# Allegro board visualscope011.brd (continued)
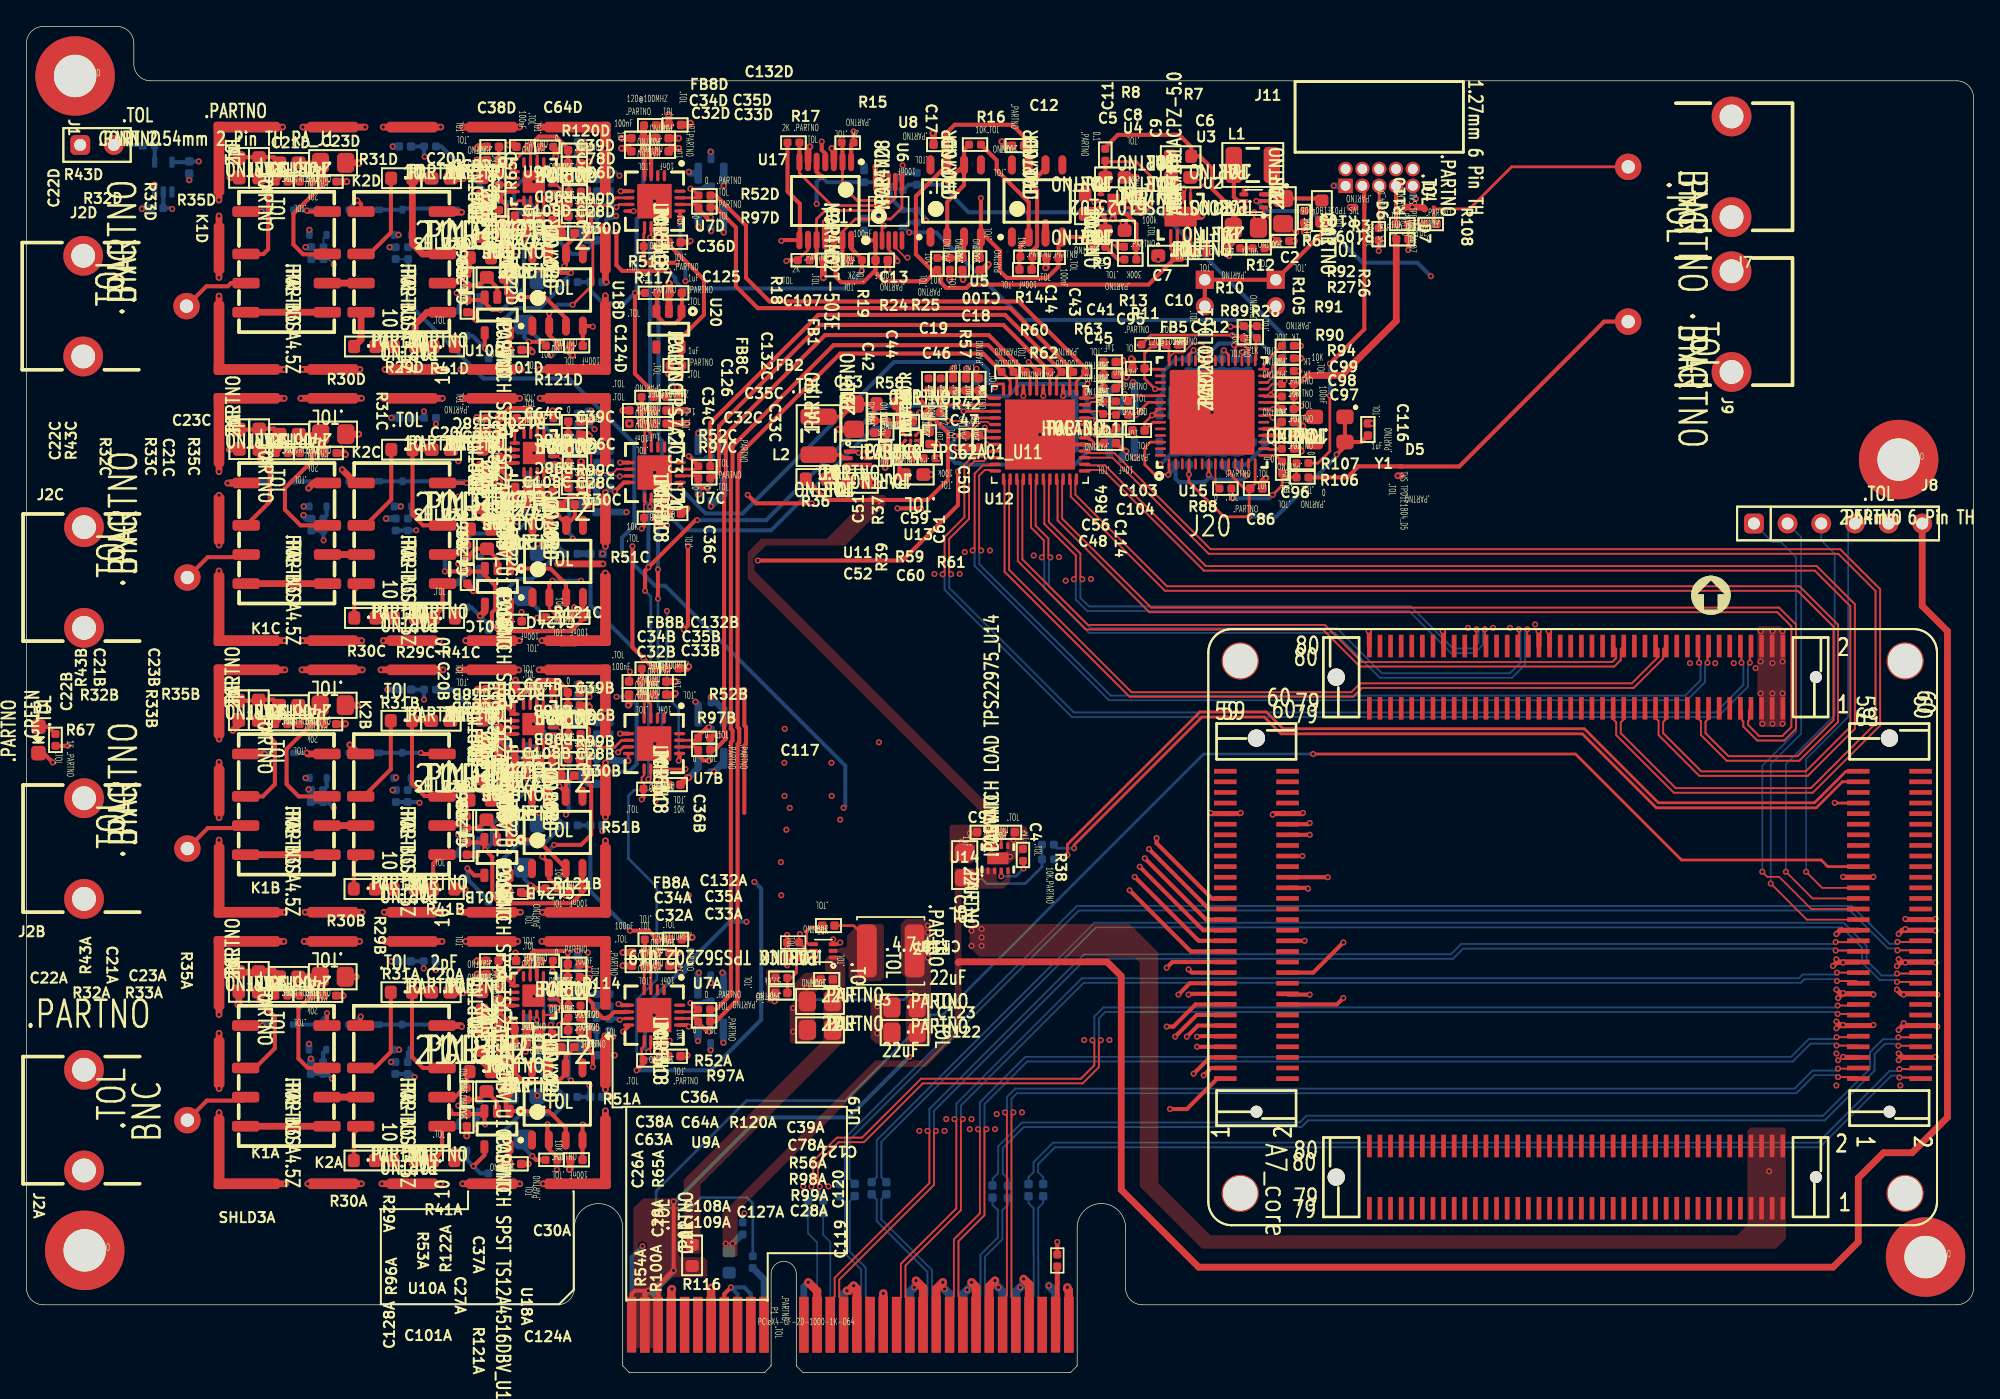
[diagram p0: board, top side]
## Routing (per net, layer and track width the routed paths; a pad name or vN(x,y) marks a point on that pad's centre or on a via; arc(x,y) is an arc through that point) (continued)
N00069_FRONT END_CH3: length 4.3
  TOP w0.508: v1(21.28,66.75) 21.68,67.15 K1C.8
  BOTTOM w0.127: 21.8,67.27 21.99,67.27 Q3C.1
  BOTTOM w0.305: D2C.2 21.81,67.27 ; 21.81,67.27 v1(21.28,66.75) ; 21.81,67.27 Q3C.1
N00069_FRONT END_CH4: length 3.4
  TOP w0.305: K1D.8 21.23,87.63 v1(21.16,87.71)
  BOTTOM w0.305: D2D.2 21.09,87.77 v1(21.16,87.71) 21.22,87.77 Q3D.1
N00077_FRONT END_CH1: length 0.9
  TOP w0.305: R32A.2 R33A.1
N00077_FRONT END_CH2: length 0.9
  TOP w0.305: R32B.2 R33B.1
N00077_FRONT END_CH3: length 0.9
  TOP w0.305: R32C.2 R33C.1
N00077_FRONT END_CH4: length 0.9
  TOP w0.305: R33D.1 R32D.2
N00085_FRONT END_CH1: length 2.5
  TOP w0.508: K2A.3 K1A.6
N00085_FRONT END_CH2: length 2.5
  TOP w0.508: K2B.3 K1B.6
N00085_FRONT END_CH3: length 2.5
  TOP w0.508: K2C.3 K1C.6
N00085_FRONT END_CH4: length 2.5
  TOP w0.508: K1D.6 K2D.3
N00105_FRONT END_CH1: length 1
  BOTTOM w0.305: Q4A.2 28.78,24.15 R48A.1
N00105_FRONT END_CH2: length 1
  BOTTOM w0.305: Q4B.2 29.01,44.19 R48B.1
N00105_FRONT END_CH3: length 1
  BOTTOM w0.305: R48C.1 29.03,64.7 Q4C.2
N00105_FRONT END_CH4: length 1
  BOTTOM w0.305: R48D.1 29.02,85.16 Q4D.2
N00107_FRONT END_CH1: length 7.8
  TOP w0.508: v1(32.84,26.11) 32.76,26.19 K2A.8
  BOTTOM w0.305: v1(32.84,26.11) 32.69,26.26 Q4A.1 D3A.2
N00107_FRONT END_CH2: length 4.8
  TOP w0.305: K2B.8 29.84,46.69 v1(29.76,46.77)
  BOTTOM w0.305: D3B.2 Q4B.1 v1(29.76,46.77)
N00107_FRONT END_CH3: length 8.5
  TOP w0.305: K2C.8 v1(33.21,67.15)
  BOTTOM w0.305: D3C.2 Q4C.1 33.08,67.27 v1(33.21,67.15)
N00107_FRONT END_CH4: length 7.9
  TOP w0.508: v1(32.84,87.58) 32.46,87.58 32.41,87.63 K2D.8
  BOTTOM w0.305: v1(32.84,87.58) 32.56,87.86 28.46,87.86 Q4D.1 D3D.2
N00129_FRONT END_CH1: length 2.8
  TOP w0.305: K2A.4 24.7,18.06 R30A.1
N00129_FRONT END_CH2: length 2.8
  TOP w0.305: R30B.1 24.7,38.56 K2B.4
N00129_FRONT END_CH3: length 2.8
  TOP w0.305: K2C.4 24.74,59.02 R30C.1
N00129_FRONT END_CH4: length 2.8
  TOP w0.508: R30D.1 25.25,77.97 K2D.4
N00131_FRONT END_CH1: length 1.4
  TOP w0.305: R30A.2 R29A.1
N00131_FRONT END_CH2: length 1.4
  TOP w0.305: R29B.1 R30B.2
N00131_FRONT END_CH3: length 1.4
  TOP w0.305: R30C.2 R29C.1
N00131_FRONT END_CH4: length 1.4
  TOP w0.508: R30D.2 R29D.1
N00133_FRONT END_CH1: length 7.3
  TOP w0.305: R31A.1 27.5,24.19 26.29,22.99 K2A.2
N00133_FRONT END_CH2: length 6.8
  TOP w0.305: R31B.1 27.5,45.53 25.45,43.49 K2B.2
N00133_FRONT END_CH3: length 6.8
  TOP w0.305: K2C.2 25.59,63.95 27.53,65.89 R31C.1
N00133_FRONT END_CH4: length 7
  TOP w0.305: R31D.1 27.51,90.13 27.51,86.05 25.88,84.43 K2D.2
N00135_FRONT END_CH1: length 6.1
  TOP w0.508: K1A.5 K1A.4
N00135_FRONT END_CH2: length 6.1
  TOP w0.508: K1B.4 K1B.5
N00135_FRONT END_CH3: length 6.1
  TOP w0.508: K1C.4 K1C.5
N00135_FRONT END_CH4: length 6.1
  TOP w0.508: K1D.4 K1D.5
N00137_FRONT END_CH1: length 8.9
  TOP w0.305: K2A.7 29.92,22.99 29.1,23.81 R31A.2 C20A.1
N00137_FRONT END_CH2: length 8.9
  TOP w0.305: C20B.1 R31B.2 29.1,44.46 30.05,43.51 31.34,43.51 K2B.7
N00137_FRONT END_CH3: length 9
  TOP w0.305: K2C.7 29.93,63.95 29.13,64.74 R31C.2 C20C.1
N00137_FRONT END_CH4: length 9
  TOP w0.508: K2D.7 29.89,84.43 29.12,85.2 R31D.2 C20D.1
N00143_FRONT END_CH1: length 4.3
  TOP w0.305: R29A.2 R41A.2 30.72,16 31.37,16.65 K2A.5
N00143_FRONT END_CH2: length 4.3
  TOP w0.305: K2B.5 30.7,38.42 R41B.2 R29B.2
N00143_FRONT END_CH3: length 4.3
  TOP w0.305: K2C.5 31.4,57.69 30.73,57.02 R41C.2 R29C.2
N00143_FRONT END_CH4: length 5.5
  TOP w0.508: K2D.5 30.25,80.03 29.32,79.11 R29D.2 R41D.2
N00149_FRONT END_CH1: length 11.9
  TOP w0.305: K1A.7 21.23,22.99 20.52,23.7 20.52,27.46 21.51,28.44 R33A.2
  TOP w0.508: R35A.2 R33A.2 21.51,29.21 C23A.2 C21A.1
N00149_FRONT END_CH2: length 13.1
  TOP w0.305: R33B.2 R35B.2 22.16,49.24 C23B.2 ; R33B.2 21.51,48.94 19.63,47.07 19.63,44.4 20.55,43.49 K1B.7 ; R33B.2 21.51,48.95 20.93,49.52 20.93,49.52 20.51,49.94 C21B.1
N00149_FRONT END_CH3: length 13
  TOP w0.305: K1C.7 20.69,63.95 19.51,65.13 19.51,66.75 21.54,68.79 R33C.2 R35C.2 22.2,69.7 C23C.2 C21C.1
N00149_FRONT END_CH4: length 12.8
  TOP w0.305: K1D.7 22.68,84.4 20.88,84.4 20.14,85.14 20.14,87.45 22.49,89.8 R35D.2 ; R35D.2 R33D.2 ; R35D.2 22.19,90.19 C23D.2 C21D.1
N00151_FRONT END_CH1: length 5.1
  TOP w0.305: J2A.1 13.62,20.52 16.27,20.52 K1A.3
N00151_FRONT END_CH2: length 5.1
  TOP w0.305: J2B.1 13.69,41.1 16.35,41.1 K1B.3
N00151_FRONT END_CH3: length 5.2
  TOP w0.305: K1C.3 16.38,61.54 13.68,61.54 J2C.1
N00151_FRONT END_CH4: length 5.2
  TOP w0.305: K1D.3 15.43,82.23 15.19,81.99 13.58,81.99 J2D.1
N00153_FRONT END_CH1: length 2.8
  TOP w0.305: v1(40.21,26.24) 40.75,26.78 R99A.1 40.88,25.84 C28A.1
  BOTTOM w0.305: v1(40.21,26.24) 40.76,26.79 FB4A.1
N00153_FRONT END_CH2: length 2.1
  TOP w0.305: v1(40.33,47.28) R99B.1 40.88,46.34 C28B.1
  BOTTOM w0.305: v1(40.33,47.28) 40.45,47.28 40.47,47.3 FB4B.1
N00153_FRONT END_CH3: length 2.1
  TOP w0.305: C28C.1 40.91,66.8 R99C.1 40.69,67.74 v1(40.46,67.51)
  BOTTOM w0.305: v1(40.46,67.51) 40.71,67.51 FB4C.1
N00153_FRONT END_CH4: length 4
  TOP w0.305: C28D.1 40.9,87.28 R99D.1 40.22,88.23 40.21,88.21 39.95,88.21 v1(39.57,87.83)
  BOTTOM w0.305: v1(39.57,87.83) 39.7,87.83 40.16,88.3 FB4D.1
N00155_FRONT END_CH1: length 9.2
  TOP w0.305: C30A.1 40.69,23.91 U18A.6 40.69,22.53 40.08,21.92 37.54,21.92 36.91,22.55 36.91,23.7 36.23,24.38 R100A.2
N00155_FRONT END_CH2: length 7.8
  TOP w0.152: 40.69,43.79 40.69,44.4 40.72,44.43
  TOP w0.305: v1(40.21,44.27) 40.69,43.79 ; C30B.1 40.72,44.43 40.72,43.51 U18B.6 ; R100B.2 36.4,44.77 36.91,44.27 v1(37.16,44.27)
  PWR4 w0.305: v1(37.16,44.27) v1(40.21,44.27)
N00155_FRONT END_CH3: length 7.8
  TOP w0.305: R100C.2 35.92,65 v1(35.83,64.91) ; C30C.1 41.39,64.61 U18C.6 40.73,64.07 v1(40.08,64.72)
  PWR4 w0.305: v1(35.83,64.91) 37.22,64.91 37.41,64.72 v1(40.08,64.72)
N00155_FRONT END_CH4: length 8.9
  TOP w0.305: v1(35.76,85.55) 35.9,85.69 R100D.2 ; v1(40.59,83.51) 40.72,83.64 U18D.6 40.72,85.04 41.37,85.7 C30D.1
  PWR4 w0.305: v1(35.76,85.55) 36.52,84.78 39.32,84.78 v1(40.59,83.51)
N00161_FRONT END_CH1: length 14.5
  TOP w0.305: v1(39.32,18.74) 39.32,17.98 39.42,17.88 U18A.2 39.42,16.86 40.07,16.21 R121A.2 ; v1(42.75,23.06) 42.75,24.08 C30A.2 42.27,24.59 42.49,24.82 42.49,26.11 41.82,26.78 R99A.2 41.81,26.82 R98A.1
  PWR3 w0.305: v1(42.75,23.06) 41.73,22.05 41.73,20.4 40.08,18.74 v1(39.32,18.74)
N00161_FRONT END_CH2: length 15.5
  TOP w0.305: R121B.2 40.07,36.66 39.42,37.31 U18B.2 39.42,38.45 v1(38.94,38.94) ; R98B.1 41.81,47.32 R99B.2 41.9,47.28 42.49,46.68 42.49,45.29 C30B.2 42.27,44.62 42.62,44.27 42.62,40.59 41.86,39.83 v1(39.83,39.83)
  BOTTOM w0.305: v1(39.83,39.83) v1(38.94,38.94)
N00161_FRONT END_CH3: length 18.4
  TOP w0.203: U18C.2 39.46,57.66 R121C.2 ; C30C.2 42.31,65.83 42.37,65.89 42.37,66.37 42.49,66.5 42.49,67.13 41.88,67.74 R99C.2
  TOP w0.305: U18C.2 39.46,59.53 v1(39.7,59.77) ; R99C.2 41.81,68.62 R98C.1
  PWR3 w0.305: v1(41.86,59.77) 41.86,65.25 41.25,65.86 41.25,66.65 41.86,67.26 v1(41.86,68.78)
  BOTTOM w0.305: v1(39.7,59.77) v1(41.86,59.77)
N00161_FRONT END_CH4: length 14.6
  TOP w0.203: v1(41.22,80.59) 42.75,82.12 42.75,85.29 42.29,85.75 C30D.2
  TOP w0.305: v1(39.45,79.96) U18D.2 39.45,78.31 40.1,77.65 R121D.2 ; C30D.2 42.29,86.18 42.62,86.51 42.62,87.43 41.82,88.23 R99D.2 41.84,88.26 R98D.1
  BOTTOM w0.305: v1(39.45,79.96) 40.09,80.59 v1(41.22,80.59)
N00175_FRONT END_CH1: length 1.5
  TOP w0.305: C26A.2 R54A.2
N00175_FRONT END_CH2: length 1.5
  TOP w0.305: C26B.2 R54B.2
N00175_FRONT END_CH3: length 1.5
  TOP w0.305: R54C.2 C26C.2
N00175_FRONT END_CH4: length 1.5
  TOP w0.305: R54D.2 C26D.2
N00191_FRONT END_CH1: length 3.8
  TOP w0.305: R100A.1 36.22,25.75 36.22,26.64 35.64,27.22 C29A.2 36.1,27.7 U9A.4
N00191_FRONT END_CH2: length 3.9
  TOP w0.305: U9B.4 36.1,48.2 C29B.2 35.64,47.72 36.22,47.14 36.22,46.13 R100B.1
N00191_FRONT END_CH3: length 3.7
  TOP w0.305: R100C.1 35.92,66.52 36.27,66.88 36.27,67.64 35.73,68.18 C29C.2 36.14,68.66 U9C.4
N00191_FRONT END_CH4: length 3.7
  TOP w0.305: R100D.1 35.9,87.05 36.25,87.4 36.25,88.08 35.99,88.34 35.97,88.34 C29D.2 36.13,89.14 U9D.4
N00197_ADC_PLL: length 1.4
  TOP w0.305: U15.18 C98.1
N00197_FRONT END_CH1: length 3.7
  TOP w0.305: v1(38.18,16.33) 38.46,16.05 R121A.1
  BOTTOM w0.305: R123A.2 38.46,16.05 v1(38.18,16.33) 37.55,16.95 R124A.2
N00197_FRONT END_CH2: length 4
  TOP w0.305: v1(38.05,36.78) 38.18,36.78 38.4,36.55 R121B.1
  BOTTOM w0.305: R124B.2 37.58,37.25 v1(38.05,36.78) 38.18,36.78 38.4,36.55 R121B.1
N00197_FRONT END_CH3: length 3.6
  TOP w0.305: R121C.1 38.6,57.01 v1(38.56,56.97)
  BOTTOM w0.305: v1(38.56,56.97) 38.63,57.05 R123C.2 37.62,58.6 R124C.2
N00197_FRONT END_CH4: length 5.1
  TOP w0.305: v1(37.92,77.8) 38.94,77.8 39.2,77.54 R121D.1
  BOTTOM w0.305: v1(37.92,77.8) 37.58,78.14 R124D.2 39.12,77.56 R123D.2
N00207_ADC_PLL: length 1.8
  TOP w0.203: U15.29 92.79,76.43 92.79,78.01 R28.1
N00209_FRONT END_CH1: length 1.2
  TOP w0.305: R65A.1 35.66,28.2 U9A.3
N00209_FRONT END_CH2: length 1.2
  TOP w0.305: R65B.1 35.66,48.7 U9B.3
N00209_FRONT END_CH3: length 1.2
  TOP w0.305: R65C.1 36.84,69.15 U9C.3
N00209_FRONT END_CH4: length 1.2
  TOP w0.203: R65D.1 35.68,89.64 U9D.3
N00211_FRONT END_CH1: length 2.7
  TOP w0.203: R65A.2 36.04,28.7 U9A.2
  TOP w0.305: C26A.1 34.69,29.09 R65A.2
N00211_FRONT END_CH2: length 2.7
  TOP w0.305: U9B.2 36.04,49.2 R65B.2 35.34,49.28 C26B.1
N00211_FRONT END_CH3: length 2.7
  TOP w0.305: C26C.1 35.38,69.74 R65C.2 36.08,69.66 U9C.2
N00211_FRONT END_CH4: length 2.7
  TOP w0.203: R65D.2 36.06,90.14 U9D.2
  TOP w0.305: C26D.1 34.71,90.53 R65D.2
N00215_FRONT END_CH1: length 1.3
  TOP w0.305: R120A.2 38.51,30.76 U9A.14
N00215_FRONT END_CH2: length 1.3
  TOP w0.203: R120B.2 38.51,51.26 U9B.14
N00215_FRONT END_CH3: length 1.3
  TOP w0.203: U9C.14 38.55,71.72 R120C.2
N00215_FRONT END_CH4: length 1.3
  TOP w0.203: R120D.2 38.54,92.2 U9D.14
N00293_FRONT END_CH1: length 3.6
  TOP w0.305: U10A.2 35.51,20.43 C27A.1 34.09,20.59 R96A.1
N00293_FRONT END_CH2: length 3.6
  TOP w0.305: R96B.1 34.09,41.09 C27B.1 35.51,40.93 U10B.2
N00293_FRONT END_CH3: length 3.6
  TOP w0.305: U10C.2 35.55,61.39 C27C.1 33.9,62.18 33.85,62.13 33.85,62.12 33.28,61.55 R96C.1
N00293_FRONT END_CH4: length 3.6
  TOP w0.305: U10D.2 35.53,81.88 C27D.1 34.12,82.04 R96D.1
N00295_FRONT END_CH1: length 8.6
  TOP w0.305: R122A.2 36.17,22.4 C27A.2 36.17,20.02 U10A.1 39.43,19.73 40.69,18.46 U18A.3
N00295_FRONT END_CH2: length 8
  TOP w0.305: U18B.3 40.69,38.07 38.54,40.22 U10B.1 36.46,41.43 C27B.2 36.23,41.78 R122B.2
N00295_FRONT END_CH3: length 8.6
  TOP w0.305: U18C.3 40.72,58.52 40.72,59.51 39.54,60.68 U10C.1 36.5,61.89 C27C.2 36.27,62.24 R122C.2
N00295_FRONT END_CH4: length 8.4
  TOP w0.305: U18D.3 40.72,79.58 39.12,81.17 U10D.1 36.2,81.46 C27D.2 36.26,82.73 R122D.2
N00307_FRONT END_CH1: length 1.3
  BOTTOM w0.305: R126A.1 32.61,19.03 Q5A.2
N00307_FRONT END_CH2: length 1.3
  BOTTOM w0.305: R126B.1 32.62,39.51 Q5B.2
N00307_FRONT END_CH3: length 1.3
  BOTTOM w0.305: Q5C.2 33.27,60.3 R126C.1
N00307_FRONT END_CH4: length 1.3
  BOTTOM w0.305: Q5D.2 32.64,80.54 R126D.1
N00325_FRONT END_CH1: length 1.8
  TOP w0.305: R54A.1 34.38,23.37 R53A.2
N00325_FRONT END_CH2: length 1.8
  TOP w0.305: R54B.1 34.38,43.87 R53B.2
N00325_FRONT END_CH3: length 1.8
  TOP w0.305: R53C.2 34.42,64.33 R54C.1
N00325_FRONT END_CH4: length 1.8
  TOP w0.305: R54D.1 35.06,85.05 R53D.2
N00331_FRONT END_CH1: length 2.4
  BOTTOM w0.305: FB6A.2 41.61,28.57 R118A.2 R119A.1
N00331_FRONT END_CH2: length 2.4
  BOTTOM w0.305: FB6B.2 43.05,49.08 R118B.2 R119B.1
N00331_FRONT END_CH3: length 2.4
  BOTTOM w0.305: R119C.1 R118C.2 41.64,69.58 FB6C.2
N00331_FRONT END_CH4: length 2.4
  BOTTOM w0.305: R119D.1 R118D.2 43.05,90.08 FB6D.2
N00337_FRONT END_CH1: length 4.5
  TOP w0.127: v1(44.78,26.62) 44.87,26.71 45.43,26.71 U7A.7
  BOTTOM w0.127: C31A.1 44.01,26.99 44.14,27.13 44.14,27.51 44.01,27.65 R119A.2
  BOTTOM w0.305: v1(44.78,26.62) 44.65,26.62 44.56,26.71 C31A.1 43.96,26.75 FB7A.2 R118A.1
N00337_FRONT END_CH2: length 4.7
  TOP w0.203: U7B.7 45.06,47.22 v1(44.65,46.81)
  BOTTOM w0.127: v1(44.65,46.81) 44.4,46.81 C31B.1 44.02,47.5 44.11,47.6 44.11,47.94 44.02,48.04 R119B.2 43.88,48.18 43.87,48.19 43.52,48.19 43.51,48.18 R118B.1
  BOTTOM w0.305: FB7B.2 R118B.1
N00337_FRONT END_CH3: length 4.6
  TOP w0.127: U7C.7 45.44,67.64 v1(44.78,67.64)
  BOTTOM w0.127: R119C.2 43.96,68.68 43.86,68.77 43.52,68.77 43.42,68.68 R118C.1 43.08,67.73 FB7C.2 44.03,67.68 C31C.1 44.73,67.69 v1(44.78,67.64)
N00337_FRONT END_CH4: length 4.5
  TOP w0.203: U7D.7 44.73,88.17 v1(44.53,87.96)
  BOTTOM w0.127: v1(44.53,87.96) 44.27,88.22 C31D.1 ; R119D.2 C31D.1 ; C31D.1 43.99,88.26 FB7D.2 R118D.1
N00431_FRONT END_CH1: length 2.3
  TOP w0.203: R56A.1 40.22,28.77 40.15,28.7 U9A.11
  TOP w0.305: R56A.1 R98A.2
N00431_FRONT END_CH2: length 2.3
  TOP w0.203: R56B.1 40.85,49.2 U9B.11
  TOP w0.305: R56B.1 R98B.2
N00431_FRONT END_CH3: length 2.3
  TOP w0.152: U9C.11 40.88,69.66 R56C.1
  TOP w0.305: R56C.1 R98C.2
N00431_FRONT END_CH4: length 2.3
  TOP w0.203: U9D.11 40.87,90.14 R56D.1 R98D.2
N00575_FRONT END_CH1: length 7.5
  TOP w0.305: K1A.2 17.26,22.99 18.74,24.48 18.74,26.87 17.53,28.09 R43A.2
N00575_FRONT END_CH2: length 7.9
  TOP w0.305: R43B.2 17.53,48.79 18.74,47.57 18.74,44.4 17.83,43.49 K1B.2
N00575_FRONT END_CH3: length 6.8
  TOP w0.305: R43C.2 17.56,68.95 18.36,68.15 18.36,65.73 K1C.2
N00575_FRONT END_CH4: length 7.5
  TOP w0.305: R43D.2 17.55,89.79 18.24,89.1 18.24,84.78 17.87,84.42 16.57,84.42 K1D.2
N00579_FRONT END_CH1: length 4.8
  TOP w0.508: C22A.2 17.45,30.21 R43A.1 18.64,30.29 C21A.2 18.78,29.59 R32A.1
N00579_FRONT END_CH2: length 4.8
  TOP w0.305: R32B.1 19.06,49.23 C21B.2 18.64,50.79 R43B.1 17.45,50.71 C22B.2
N00579_FRONT END_CH3: length 4.8
  TOP w0.305: C22C.2 17.49,71.17 R43C.1 18.68,71.25 C21C.2 19.1,69.69 R32C.1
N00579_FRONT END_CH4: length 4.8
  TOP w0.305: C22D.2 16.13,91.73 R43D.1 18.67,91.73 C21D.2 19.09,90.17 R32D.1
N012996_FRONT END_CH1: length 1.2
  TOP w0.127: U9A.7 v1(38.51,26.62)
  BOTTOM w0.305: R55A.1 38.37,26.76 v1(38.51,26.62)
N012996_FRONT END_CH2: length 1.2
  TOP w0.127: U9B.7 v1(38.51,47.11)
  BOTTOM w0.305: v1(38.51,47.11) 38.35,47.27 R55B.1
N012996_FRONT END_CH3: length 1.4
  TOP w0.127: U9C.7 v1(38.55,67.52)
  BOTTOM w0.305: v1(38.55,67.52) 38,67.52 R55C.1
N012996_FRONT END_CH4: length 1.5
  TOP w0.203: U9D.7 38.54,87.94 v1(38.43,87.83)
  BOTTOM w0.305: v1(38.43,87.83) 37.99,88.27 R55D.1
OUT_R_N_FRONT END_CH1: length 3.9
  TOP w0.203: U7A.14 50.47,26.72 R97A.1
  TOP w0.305: v1(51.51,25.73) 51.38,25.73 50.69,26.42 R97A.1
  BOTTOM w0.305: J3A.1 51.64,25.86 v1(51.51,25.73)
OUT_R_N_FRONT END_CH2: length 4.1
  TOP w0.203: U7B.14 50.47,47.22 R97B.1
  TOP w0.305: v1(51.51,46.18) 51.49,46.2 51.1,46.2 50.69,46.61 R97B.1
  BOTTOM w0.305: v1(51.51,46.18) 51.66,46.33 J3B.1
OUT_R_N_FRONT END_CH3: length 3.9
  TOP w0.203: R97C.1 50.52,67.68 U7C.14
  TOP w0.305: v1(51.38,66.75) 51,66.75 50.71,67.05 R97C.1
  BOTTOM w0.305: J3C.1 51.66,67.03 v1(51.38,66.75)
OUT_R_N_FRONT END_CH4: length 4
  TOP w0.203: R97D.1 50.5,88.17 U7D.14
  TOP w0.305: R97D.1 50.72,87.81 51.33,87.2 v1(51.64,87.2)
  BOTTOM w0.305: v1(51.64,87.2) 51.66,87.22 J3D.1
OUT_R_P_FRONT END_CH1: length 3.8
  TOP w0.203: U7A.15 50.51,27.22 R52A.1
  TOP w0.305: R52A.1 50.6,27.41 v1(50.11,27.89)
  BOTTOM w0.305: v1(50.11,27.89) 51,27.89 51.16,28.04 J4A.1
OUT_R_P_FRONT END_CH2: length 2.9
  TOP w0.203: R52B.1 50.51,47.72 U7B.15
  TOP w0.305: v1(51.51,48.72) 51.38,48.72 50.69,48.03 R52B.1
  BOTTOM w0.127: J4B.1 51.51,48.71 v1(51.51,48.72)
OUT_R_P_FRONT END_CH3: length 4.4
  TOP w0.203: U7C.15 50.49,68.18 R52C.1
  TOP w0.305: v1(49.99,69.16) 50.71,68.45 R52C.1
  BOTTOM w0.305: J4C.1 51.29,69.07 51.13,68.91 50.37,68.91 50.11,69.16 v1(49.99,69.16)
OUT_R_P_FRONT END_CH4: length 3.9
  TOP w0.203: U7D.15 50.54,88.67 R52D.1 50.21,89.36 v1(50.11,89.36)
  BOTTOM w0.305: v1(50.11,89.36) 51,89.36 51.2,89.55 J4D.1
PER_N0: length 10.5
  BOTTOM w0.142: P1.A17 63.58,3.7 63.58,5.54 63.34,5.77 63.34,7.91 62.12,9.13 62.12,12.92 62.12,12.92 C74.1
PER_N1: length 11.7
  BOTTOM w0.142: P1.A22 68.67,5.4 68.34,5.72 68.34,7.74 64.52,11.56 64.52,13.07 C70.1
PER_N2: length 10.4
  BOTTOM w0.142: C66.1 74.07,12.66 73.66,12.25 73.65,11.65 73.65,10.04 72.34,8.73 72.34,5.66 72.67,5.33 P1.A26
PER_N3: length 10
  BOTTOM w0.142: C62.1 76.73,12.79 76.35,12.41 76.35,8.6 76.37,8.58 76.37,5.7 76.67,5.4 P1.A30
PER_P0: length 10.5
  BOTTOM w0.142: C75.1 61.78,12.92 61.78,8.99 63,7.77 63,5.72 62.81,5.54 62.81,3.75 P1.A16
PER_P1: length 11.7
  BOTTOM w0.142: C71.1 64.17,13.07 64.17,11.42 68,7.59 68,5.77 67.67,5.44 P1.A21
PER_P2: length 10.4
  BOTTOM w0.142: C67.1 72.9,12.67 73.31,12.26 73.31,11.65 73.31,10.19 72,8.88 72,5.7 71.67,5.37 P1.A25
PER_P3: length 10
  BOTTOM w0.142: P1.A29 75.67,5.44 76.02,5.79 76.02,8.97 76.01,8.98 76.01,12.41 75.63,12.79 C15.1
PERST#: length 120.8
  TOP w0.203: J20.J3_41 135.96,38.18 135.46,38.68 124.92,38.68 116.92,46.68 v1(97.1,46.68)
  BOTTOM w0.203: v1(97.1,46.68) 88.85,46.68 69.16,27 68.27,27 61.8,20.52 54.36,20.52 47.52,13.69 47.52,12.83 47.95,12.39 50.11,12.39 50.93,13.21 54.38,13.21 54.81,12.78 R84.1
PET_N0: length 94.3
  TOP w0.142: J20.J3_25 138.19,31.85 v1(136.55,31.85) ; v1(68.64,18.24) 68.49,18.09 68.49,14.16 61.34,7 61.34,5.74 61.67,5.41 P1.B15
  BOTTOM w0.142: v1(68.64,18.24) 68.49,18.38 68.49,19.74 79.98,31.23 107.66,31.23 108.43,32 136.4,32 v1(136.55,31.85)
PET_N1: length 90.3
  TOP w0.142: J20.J3_19 138.09,29.55 v1(136.64,29.55) ; v1(70.67,19.13) 70.53,18.98 70.53,12.25 66.34,8.07 66.34,5.69 66.67,5.37 P1.B20
  BOTTOM w0.142: v1(136.64,29.55) 136.5,29.69 134.2,29.69 133.91,29.41 79.79,29.41 70.53,20.15 70.53,19.27 v1(70.67,19.13)
PET_N2: length 85.7
  TOP w0.142: J20.J3_7 138.16,24.68 v1(136.62,24.68) ; P1.B24 70.67,5.43 70.34,5.76 70.34,9.91 72.3,11.87 72.3,18.22 v1(72.45,18.36)
  BOTTOM w0.142: v1(72.45,18.36) 72.3,18.51 72.3,20.25 75.53,23.48 133.32,23.48 134.66,24.82 136.47,24.82 v1(136.62,24.68)
PET_N3: length 82.1
  TOP w0.142: P1.B28 74.67,5.37 74.34,5.69 74.34,19.49 v1(74.49,19.63) ; v1(136.73,22.3) 138.14,22.3 J20.J3_1
  BOTTOM w0.142: v1(74.49,19.63) 74.34,19.78 74.34,20.66 74.77,21.08 133.59,21.08 134.95,22.45 136.58,22.45 v1(136.73,22.3)
PET_P0: length 94.9
  TOP w0.142: v1(136.55,32.49) 138.16,32.49 J20.J3_27 ; P1.B14 60.67,5.42 61,5.75 61,7.15 68.15,14.3 68.15,18.09 v1(68,18.24)
  BOTTOM w0.142: v1(68,18.24) 68.15,18.38 68.15,19.89 79.83,31.57 107.52,31.57 108.29,32.34 136.4,32.34 v1(136.55,32.49)
PET_P1: length 90.8
  TOP w0.142: v1(70.04,19.13) 70.18,18.98 70.18,12.39 66,8.21 66,5.67 65.67,5.34 P1.B19 ; J20.J3_21 v1(136.64,30.18)
  BOTTOM w0.142: v1(70.04,19.13) 70.18,19.27 70.18,20.29 79.65,29.76 133.77,29.76 134.05,30.04 136.5,30.04 v1(136.64,30.18)
PET_P2: length 86.2
  TOP w0.142: v1(136.62,25.31) 138.18,25.31 J20.J3_9 ; v1(71.81,18.36) 71.96,18.22 71.96,12.01 70,10.05 70,5.73 69.67,5.41 P1.B23
  BOTTOM w0.142: v1(71.81,18.36) 71.96,18.51 71.96,20.4 75.39,23.82 133.17,23.82 134.51,25.17 136.47,25.17 v1(136.62,25.31)
PET_P3: length 82.6
  TOP w0.142: J20.J3_3 138.21,22.94 v1(136.73,22.94) ; P1.B27 73.67,5.47 74,5.8 74,19.49 v1(73.85,19.63)
  BOTTOM w0.142: v1(73.85,19.63) 74,19.78 74,20.8 74.62,21.43 133.44,21.43 134.81,22.79 136.58,22.79 v1(136.73,22.94)
PGA_CSN_1: length 65.4
  TOP w0.203: U7A.9 46.62,24.65 46.43,24.46 46.43,23.95 46.57,23.82 R51A.1
  TOP w0.305: v1(86.69,25.35) 88.33,26.98 J20.J1_13 ; R51A.1 46.57,23.32 v1(46.05,22.81)
  PWR4 w0.203: v1(54.94,37.03) 54.94,36.78 56.84,34.87 75.53,34.87 85.05,25.35 v1(86.69,25.35)
  BOTTOM w0.305: v1(54.94,37.03) 55.45,36.52 55.45,26.62 51.64,22.81 v1(46.05,22.81)
PGA_CSN_2: length 52.4
  TOP w0.152: R51B.1 46.62,44.11 46.62,44.46 46.43,44.65 46.43,44.91 46.62,45.1 U7B.9
  TOP w0.305: R51B.1 46.57,43.39 v1(46.43,43.26) ; v1(87.71,30.43) 87.95,30.18 J20.J1_21
  PWR4 w0.305: v1(46.43,43.26) 49.22,40.46 58.75,40.46 62.31,36.91 78.43,36.91 85.42,29.92 87.2,29.92 v1(87.71,30.43)
PGA_CSN_3: length 27.3
  TOP w0.127: R51C.1 46.6,65.48 46.66,65.54 U7C.9
  TOP w0.305: 54.18,42.24 54.18,47.32 54.3,47.45 54.3,48.72 54.18,48.84 v1(54.18,51.51) ; R51C.1 46.6,63.88 v1(46.43,63.7)
  PWR3 w0.203: v1(46.43,63.7) 46.57,63.7 54.18,56.09 v1(54.18,51.51)
PGA_CSN_4: length 93.6
  TOP w0.203: U7D.9 46.65,86.02 46.59,85.96 R51D.1
  TOP w0.305: v1(49.1,83.77) 46.81,83.77 v1(46.56,84.02) 46.59,84.06 R51D.1 ; J20.J1_28 95.18,32.59 v1(96.47,32.59)
  PWR3 w0.305: v1(49.1,83.77) 58.24,74.62 58.24,42.9 62.2,38.94 69.67,38.94 76.02,32.59 v1(96.47,32.59)
PGOOD: length 68.7
  TOP w0.203: v1(79.07,39.57) 79.07,39.83 88.72,49.48 93.42,49.48 94.69,48.21 117.42,48.21 123.01,42.62 135.08,42.62 137.04,44.58 J20.J3_57
  BOTTOM w0.203: R101.1 77.81,39.57 v1(79.07,39.57)
PROBE_COMP: length 117
  TOP w0.305: J20.J1_31 89.03,34.18 v1(84.4,38.81)
  PWR4 w0.305: v1(84.4,38.81) 78.43,44.78 51.38,44.78 46.05,50.11 46.05,50.88 45.67,51.26 45.03,51.26 30.3,65.99 16.69,65.99 16.23,65.53 12.57,65.53 10.49,67.61 10.49,87.32 v1(11,87.83)
  BOTTOM w0.305: U1.2 10.32,87.9 R2.2 10.93,87.9 v1(11,87.83)
PRSNT1#: length 38.7
  TOP w0.305: R86.1 v1(77.8,9.85)
  PWR3 w0.305: v1(77.8,9.85) 77.15,10.5 47.46,10.5 v1(46.49,9.54)
  BOTTOM w0.305: v1(46.49,9.54) 45.67,8.71 P1.A1
PRSNT2#_4: length 4
  TOP w0.381: P1.B31 77.8,4.24 R86.2
REFINOUT: length 8.1
  TOP w0.127: v1(91.01,65.99) 91.01,66.65 R88.2
  TOP w0.203: v1(94.06,66.24) 94.77,66.95 C96.2 95.07,67.56 R106.2 R107.2
  BOTTOM w0.305: v1(91.01,65.99) 93.8,65.99 v1(94.06,66.24)
REFINOUT1: length 29
  TOP w0.305: J9.1 119.07,79.32 108.14,68.39 D5.1 103.72,68.4 100.53,68.4 99.69,67.56 R106.1
REFINOUT2: length 23.2
  TOP w0.203: R107.1 97.47,68.64 98.37,69.54 v1(98.37,73.74)
  TOP w0.305: J11.3 100.97,89.43 D6.1 100.97,78.75 v1(98.37,76.15)
  BOTTOM w0.305: v1(98.37,73.74) v1(98.37,76.15)
RESIN: length 109.6
  TOP w0.203: J20.J3_53 136.49,42.98 v1(136.47,43)
  PWR4 w0.203: v1(136.47,43) 135.33,41.86 135.33,21.54 130.25,16.46 58.88,16.46 54.43,12.01 v1(54.18,12.01)
  BOTTOM w0.203: R66.1 54.05,11.89 v1(54.18,12.01)
SCL: length 120.4
  TOP w0.127: U15.24 93.62,73.73 93.88,73.99 v1(94.18,73.99)
  TOP w0.203: U15.24 93.44,73.67 R90.1
  TOP w0.305: v1(96.72,36.52) 96.66,36.58 J20.J1_38
  PWR3 w0.305: v1(96.72,36.52) 97.48,37.29 97.48,39.06 95.33,41.22 68.78,41.22 66.5,43.51 66.5,56.72 64.08,59.13 64.08,65.23 66.12,67.26 66.12,83.01 67,83.9 67,85.67 v1(66.62,86.05)
  BOTTOM w0.305: v1(94.18,73.99) 94.18,76.68 91.41,79.45 75.26,79.45 68.66,86.05 v1(66.62,86.05) 66.23,86.45 ; Q2.3 66.23,86.45 ; 66.23,86.45 66.25,86.45 66.62,86.81 R21.1
SCL_5V: length 14.8
  TOP w0.203: U6.2 64.57,86.42 v1(64.72,86.56)
  TOP w0.305: v1(60.02,92.91) 60.02,92.28 60.29,92.01 U17.4
  PWR3 w0.305: v1(60.02,92.91) 63.32,92.91 64.72,91.52 v1(64.72,86.56)
  BOTTOM w0.305: R23.1 64.22,87.1 Q2.1 64.23,87.06 v1(64.72,86.56)
SDA: length 80.9
  TOP w0.127: R91.1 94.75,74.68 v1(94.94,74.88)
  TOP w0.152: U15.25 93.64,74.23 94.02,74.61 R91.1
  TOP w0.305: J20.J1_40 v1(98.22,37.38)
  PWR3 w0.305: v1(94.94,74.88) 95.58,74.24 95.58,49.61 98.22,46.97 v1(98.22,37.38)
  BOTTOM w0.305: v1(94.94,74.88) 94.94,78.24 85.6,87.58 71.11,87.58 69.04,89.66 R20.1 66.58,89.66 Q1.3
SDA_5V: length 17.6
  TOP w0.203: v1(65.73,83.9) 65.73,84.1 65.07,84.76 U6.3
  TOP w0.305: v1(60.02,90.25) 59.64,90.63 U17.5
  PWR3 w0.305: v1(65.73,83.9) 63.96,83.9 v1(59.64,88.21)
  BOTTOM w0.305: v1(59.64,88.21) 59.64,89.86 v1(60.02,90.25) 60.42,89.85 R22.1 64.22,89.85 Q1.1
SPI_SCLK: length 149.9
  TOP w0.127: U7C.11 v1(47.66,65.31) ; v1(47.57,44.78) 47.62,44.83 U7B.11
  TOP w0.203: U7D.11 47.66,86.48 47.66,85.72 v1(47.7,85.67) ; U7A.11 v1(47.62,24.29) ; v1(71.45,71.83) 71.67,72.05 U12.4
  TOP w0.305: v1(47.66,60.61) v1(47.66,58.41) ; v1(83.26,36.4) 87.87,31.78 J20.J1_25
  PWR3 w0.305: 49.05,24.29 v1(47.62,24.29)
  PWR4 w0.305: v1(83.26,36.4) 78.43,41.22 61.04,41.22 60.15,42.11 50.24,42.11 v1(47.57,44.78)
  BOTTOM w0.203: v1(47.66,58.41) 47.66,50.26 47.95,49.96 47.95,45.16 v1(47.57,44.78) 47.57,44.4 47.13,43.95 45.86,43.95 45.43,43.52 45.43,38.8 47.57,36.65 47.57,29.67 46.05,28.14 46.05,24.21 46.56,23.7 47.45,23.7 47.57,23.82 47.57,24.24 v1(47.62,24.29)
  BOTTOM w0.305: v1(47.66,65.31) 47.87,65.31 49.61,63.58 56.21,63.58 63.96,71.32 70.94,71.32 v1(71.45,71.83) ; v1(47.66,65.31) v1(47.66,60.61) ; v1(47.66,65.31) 47.95,65.61 47.95,70.33 47.7,70.59 v1(47.7,85.67)
SPI_SDIO: length 158.3
  TOP w0.127: U7C.10 47.07,65.91 v1(47.07,65.35) ; U7B.10 47.12,44.83 47.07,44.78 v1(46.94,44.78)
  TOP w0.203: U7D.10 47.15,85.75 v1(47.07,85.67) ; U12.3 v1(70.73,72.55) ; U7A.10 47.12,24.51 46.94,24.33 v1(46.94,24.21)
  TOP w0.305: J20.J1_7 88.34,24.58 v1(88.34,24.59) ; v1(50.62,64.34) 50.49,64.34 v1(46.94,60.78) 46.68,60.53 v1(46.68,59)
  PWR3 w0.305: v1(46.94,44.78) 46.94,43 46.81,42.87 46.81,26.75 47.07,26.49 47.07,24.33 v1(46.94,24.21)
  PWR4 w0.203: v1(88.34,24.59) 86.18,22.43 57.1,22.43 54.34,25.18 v1(54.34,34.02)
  BOTTOM w0.203: v1(46.68,59) 47.12,58.57 47.12,52.66 46.94,52.48 v1(46.94,44.78)
  BOTTOM w0.305: v1(46.94,60.78) 46.94,65.23 v1(47.07,65.35) 46.63,65.79 46.63,70.23 47.07,70.66 v1(47.07,85.67) ; v1(54.34,34.02) 53.07,34.02 49.73,30.68 49.73,30.3 49.48,30.05 49.1,30.05 46.68,27.63 46.68,24.46 v1(46.94,24.21) ; v1(70.73,72.55) 70.31,72.97 64.46,72.97 55.83,64.34 v1(50.62,64.34)
